# KiCad board migrane.kicad_pcb (continued)
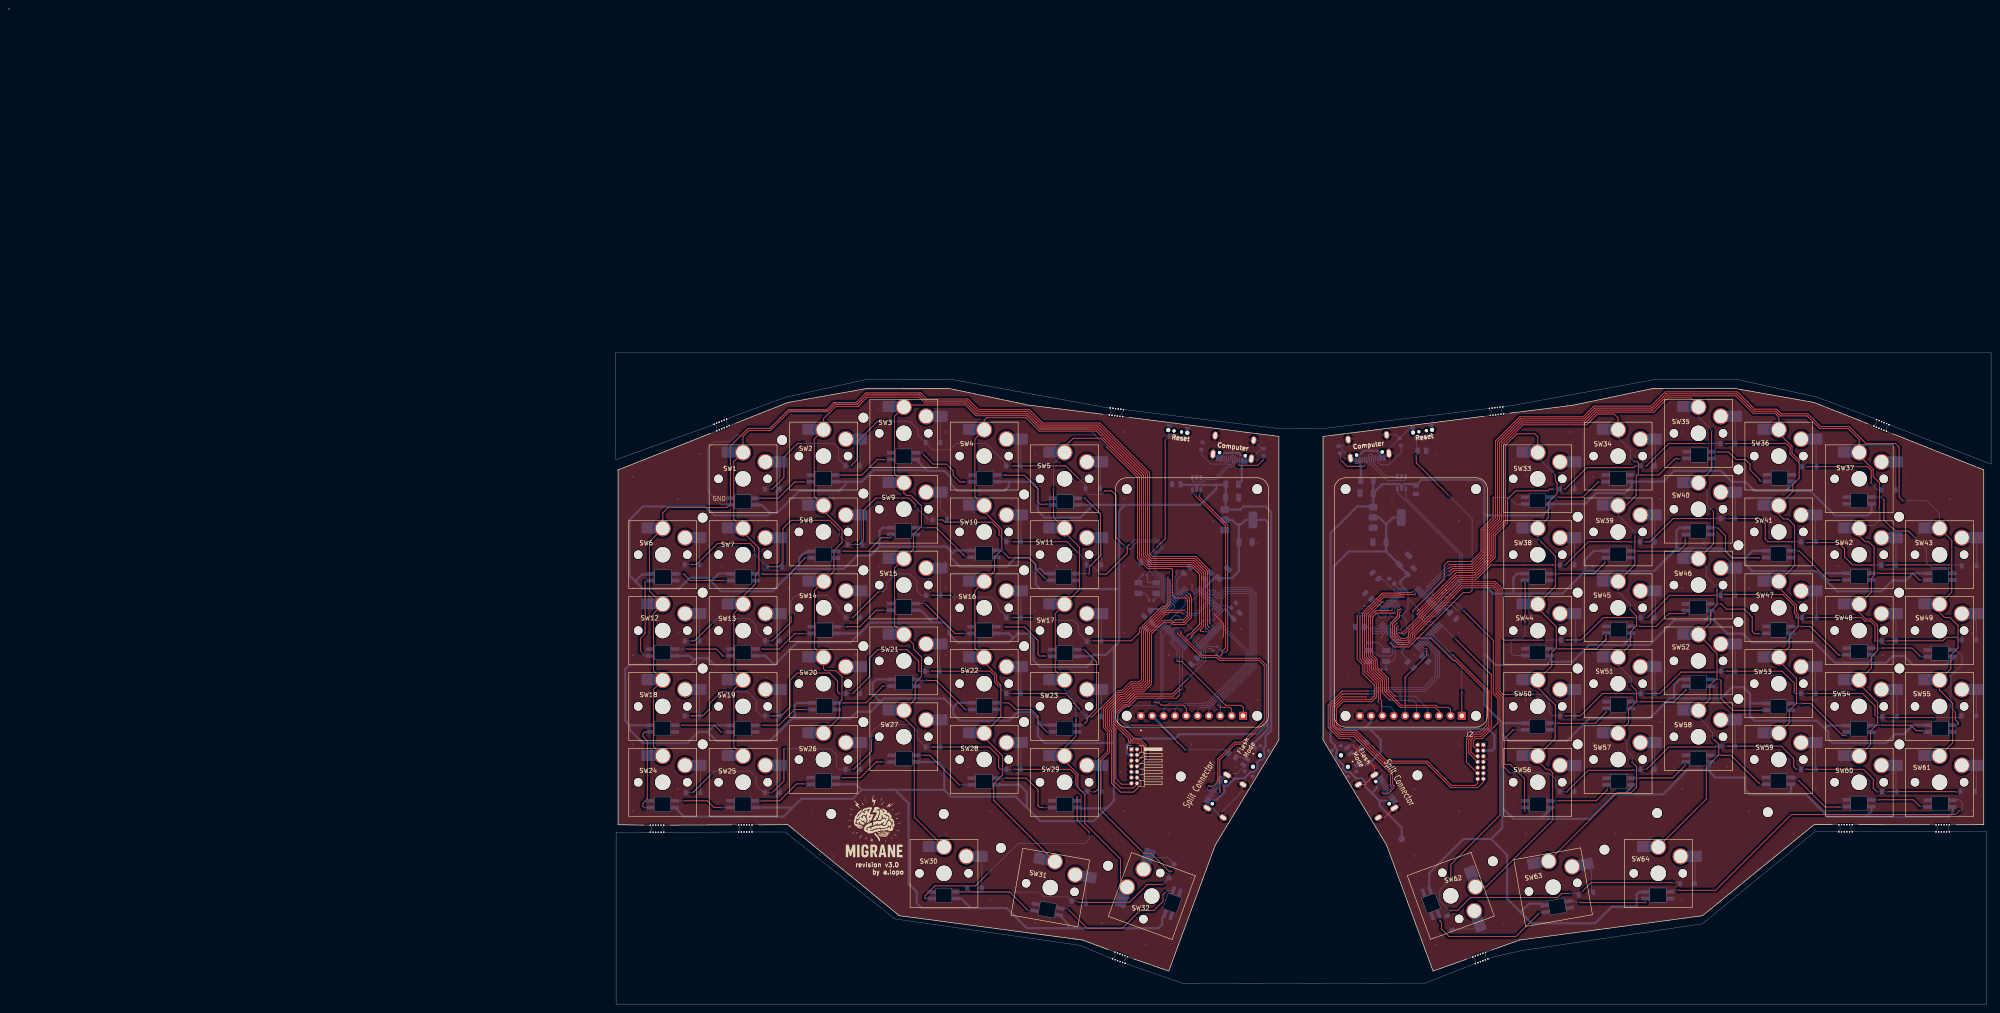
[diagram p0: board, top side]
## Routing (per net, layer and track width the routed paths; a pad name or vN(x,y) marks a point on that pad's centre or on a via; arc(x,y) is an arc through that point) (continued)
(no net):
  vias: v1(-135.89,223)
/left/BOOT0a: length 56.3
  Top w0.2: v1(127.61,57) 122.11,62.5 v1(115.61,62.5)
  Bottom w0.2: 123.86,83.73 122.93,82.83 122.61,82.51 122.61,68.75 120.8,66.94 118.55,66.94 118.55,66.93 114.05,66.93 112.61,65.5 112.61,64 114.11,62.5 v1(115.61,62.5) ; v1(127.61,57) 136.53,57 R5.1
/right/BOOT0^{b}: length 50.2
  Top w0.2: v1(168.61,70.15) 162.76,70.15 159.61,67 159.61,62 162.11,59.5 164.41,59.5 v1(164.51,59.4)
  Bottom w0.2: 180.87,81.21 181.62,80.5 182.32,79.8 182.32,79.8 183.61,78.51 183.61,73.64 180.88,70.9 170.37,70.9 169.62,70.15 168.62,70.15 v1(168.61,70.15) ; 167.95,58.7 167.65,59 164.91,59 v1(164.51,59.4)
/right/SW_BOOT0^{b}: length 3
  Bottom w0.2: 164.46,56.17 166.03,56.17 166.78,56.92 166.78,57.3
COL0^{a}: length 242.7
  Top w0.2: SW24.1 8.5,57.68 8.5,70.52 SW18.1 8.5,74.68 8.5,87.52 SW12.1 7.61,92.56 7.61,103.64 SW6.1 10.57,110.06 11.79,111.27 24.99,111.27 25.71,112 25.71,125 29.71,129 34.51,129 38.71,133.2 47.31,133.2 48.91,134.8 53.91,134.8 56.06,136.95 68.35,136.95 69.7,135.6 78.91,135.6 81.31,133.2 92.7,133.2 95.7,130.2 108.51,130.2 119.61,119.1 119.61,101 120.31,100.3 130,100.3 133.06,97.24 133.06,85.42 v1(133.17,85.32)
  Bottom w0.2: 134.36,83.72 133.64,84.46 133.64,84.85 v1(133.17,85.32)
COL0^{b}: length 229.1
  Top w0.2: SW61.1 299.51,58.54 299.51,67.4 296.57,70.34 SW55.1 299.11,75.14 299.11,78.2 300.71,79.8 300.71,84.8 298.9,86.61 297.7,86.61 296.57,87.74 SW49.1 299.31,92.34 299.31,103.86 SW43.1 ; 186.79,98.5 191.61,98.5 194.31,101.2 194.31,106.2 197.11,109 197.11,126.2 202.51,131.6 216.71,131.6 219.11,134 231.91,134 234.51,136.6 234.53,136.6 235.13,137.2 251.31,137.2 255.21,133.3 260.09,133.3 261.14,132.25 267.1,132.25 269.95,129.4 276.31,129.4 280.11,125.6 286.71,125.6 287.51,124.8 287.51,113.6 v1(288.31,112.8)
  Bottom w0.2: 180.91,91.81 181.75,92.59 181.75,93.64 186.61,98.5 186.79,98.5 ; SW43.1 296.57,109.94 296.58,109.95 293.73,112.8 v1(288.31,112.8)
  vias: v1(186.71,98.49)
COL1^{a}: length 228
  Top w0.2: v1(132.97,84.53) 132.9,84.53 132.61,84.82 132.61,97.05 129.81,99.85 120.12,99.85 119.16,100.81 119.16,118.91 108.33,129.75 95.51,129.75 92.51,132.75 81.13,132.75 78.73,135.15 69.51,135.15 68.16,136.5 56.25,136.5 54.1,134.35 49.1,134.35 47.5,132.75 38.9,132.75 34.7,128.55 29.9,128.55 28.56,127.21 SW1.1 26.48,121.52 26.48,108.69 SW7.1 ; SW25.1 26.5,57.68 26.5,70.52 SW19.1 26.5,74.68 26.5,87.52 SW13.1 28.57,91.36 31.31,94.11 31.31,96.2 32.11,97 32.11,102.2 28.57,105.74
  Bottom w0.2: U4.38 133.03,84.39 133.03,84.48 v1(132.97,84.53)
COL1^{b}: length 217
  Top w0.2: v1(283.04,111.07) 283.11,111.14 283.11,116.82 281.71,118.22 281.71,119.8 278.57,122.94 ; 278.57,104.94 279.9,103.61 280.7,103.61 281.91,102.4 281.91,96 281.31,95.4 281.31,92.34 SW48.1 278.57,87.74 280.02,86.29 281.22,86.29 282.71,84.8 282.71,79.2 281.31,77.8 281.31,75.34 SW54.1 ; SW60.1 281.11,58.14 281.11,61.2 282.71,62.8 282.71,67.6 278.57,71.74 ; SW37.1 278.57,126.5 276.13,128.95 269.76,128.95 266.91,131.8 260.95,131.8 259.9,132.85 255.03,132.85 251.13,136.75 235.31,136.75 232.11,133.55 219.3,133.55 216.9,131.15 202.7,131.15 197.56,126.01 197.56,108.8 194.76,106 194.76,101.01 191.8,98.05 187.19,98.05 186.85,97.71 186.79,97.71
  Bottom w0.2: 181.26,91.41 182.13,92.23 182.2,92.3 182.2,93.45 186.45,97.7 186.78,97.7 ; v1(283.04,111.07) 283.09,111.02 283.09,108.48 281.86,107.25 279.22,107.25
  vias: v1(186.71,97.7)
COL2^{a}: length 210.1
  Top w0.2: 46.57,110.54 50.71,106.4 50.71,103.4 48.91,101.6 48.91,96.99 SW14.1 44.55,92.62 44.55,79.73 SW20.1 46.57,75.14 47,74.71 49.42,74.71 50.68,73.45 50.71,73.45 50.71,68.2 50.11,67.6 50.11,64.24 SW26.1 ; SW8.1 44.5,113.78 44.5,126.62 SW2.1 46.57,131.18 49.29,133.9 54.29,133.9 56.39,136 68.01,136 69.31,134.7 78.54,134.7 80.94,132.3 92.33,132.3 95.33,129.3 108.14,129.3 118.71,118.73 118.71,100.63 119.94,99.4 129.63,99.4 132.16,96.86 132.16,84.5 132.21,84.46 v1(132.21,84.12)
  Bottom w0.2: 133.61,83 132.91,83.77 132.64,84.04 132.64,84.06 132.58,84.12 v1(132.21,84.12)
COL2^{b}: length 195.5
  Top w0.2: 260.57,76.94 264.51,73 264.51,67.4 262.91,65.8 262.91,63.04 SW59.1 ; 186.79,96.96 186.89,96.96 187.53,97.6 191.99,97.6 195.22,100.83 195.22,105.81 198.02,108.61 198.02,125.83 202.89,130.7 217.09,130.7 219.49,133.1 232.3,133.1 235.5,136.3 250.94,136.3 254.84,132.4 259.71,132.4 260.57,131.54 SW36.1 ; 260.57,93.34 264.51,89.4 264.51,87.8 264.91,87.4 264.91,84.6 262.91,82.6 262.91,80.04 SW53.1 ; 260.57,127.94 263.51,125 263.51,123.52 265.11,121.92 265.11,117.8 263.71,116.4 263.71,114.84 SW41.1 260.57,109.74 261.6,108.71 262.6,108.71 264.11,107.2 264.11,98.24 SW47.1
  Bottom w0.2: 181.57,91.04 182.47,91.9 182.65,92.09 182.65,93.26 186.31,96.92 186.74,96.92
  vias: v1(186.71,96.95)
COL3^{a}: length 220.2
  Top w0.2: SW27.1 67.11,68.34 67.11,72 68.51,73.4 68.51,77.8 66.71,79.6 66.71,80.66 SW21.1 62.5,84.88 62.5,97.72 SW15.1 66.71,101.94 66.71,105.26 68.51,107.06 68.51,111.6 66.11,114 65.11,114 64.57,114.54 SW9.1 62.5,118.88 62.5,131.72 SW3.1 ; v1(131.94,83.48) 131.94,83.49 131.91,83.52 131.11,83.52 130.98,83.65 130.98,83.83 131.71,84.56 131.71,96.68 129.44,98.95 119.75,98.95 118.26,100.44 118.26,118.54 107.95,128.85 95.11,128.85 92.11,131.85 80.75,131.85 78.35,134.25 65.02,134.25 ; SW30.1 66.91,41.86 66.91,61.8 64.57,64.14
  Bottom w0.2: 133.3,82.66 132.5,83.49 132.03,83.49 132.03,83.48 v1(131.94,83.48)
COL3^{b}: length 210.5
  Top w0.2: v1(245.51,128.5) 245.51,127.2 245.51,119.74 SW40.1 ; v1(246.71,92.8) 246.71,89.4 245.31,88 245.31,85.54 SW52.1 245.42,79.95 245.42,79.81 246.71,78.52 246.71,73 245.11,71.4 245.11,68.34 SW58.1 ; 186.79,96.21 186.89,96.21 187.82,97.15 192.17,97.15 195.67,100.64 195.67,105.63 198.47,108.43 198.47,125.64 203.07,130.25 217.27,130.25 219.67,132.65 232.56,132.65 235.76,135.85 240.87,135.85 242.57,134.14 ; SW64.1 244.31,45.94 244.31,53.07 247.11,55.87 247.11,58.2 v1(246.11,59.2) ; v1(245.91,110.4) 245.91,103.14 SW46.1
  Bottom w0.2: 181.86,90.63 182.8,91.53 183.11,91.84 183.11,93 186.33,96.21 186.79,96.21 ; SW40.1 244.51,114.86 244.51,111.8 v1(245.91,110.4) ; SW46.1 244.31,98.06 244.31,95.8 246.71,93.4 v1(246.71,92.8) ; SW35.1 242.57,131.56 245.51,128.62 v1(245.51,128.5) ; 242.57,64.34 244.71,62.2 244.71,61.8 245.71,60.8 245.71,59.6 v1(246.11,59.2)
  vias: v1(186.71,96.2)
COL4^{a}: length 204.8
  Top w0.2: 82.57,59.74 86.71,55.6 86.71,51.4 84.71,49.4 84.71,45.62 SW31.1 ; v1(128.75,81.91) 128.75,81.93 129.01,82.19 129.01,82.49 131.26,84.74 131.26,96.49 129.25,98.5 119.56,98.5 117.81,100.25 117.81,118.35 107.77,128.4 94.92,128.4 91.92,131.4 83.11,131.4 82.57,130.86 SW4.1 80.5,126.62 80.5,113.78 SW10.1 ; SW28.1 86.31,64.44 86.31,71.4 86.25,71.46 86.25,71.46 85.98,71.74 85.97,71.74 85.36,72.35 85.36,73.79 82.57,76.58 ; SW22.1 80.5,79.78 80.5,92.62 SW16.1 84.91,97.04 84.91,100.15 86.51,101.75 86.51,106.4 82.57,110.34
  Bottom w0.2: 127.43,80.93 127.92,81.4 128.43,81.91 v1(128.75,81.91)
COL4^{b}: length 209.2
  Top w0.2: v1(228.31,104.8) 228.31,98.44 SW45.1 ; SW34.1 224.57,131.34 223.72,132.2 219.91,132.2 217.51,129.8 203.26,129.8 198.92,125.46 198.92,108.24 196.12,105.44 196.12,100.45 192.36,96.7 188.31,96.7 179.8,88.18 v1(179.42,88.18) ; SW63.1 224.39,47.4 227.51,47.4 228.71,48.6 228.71,53.2 v1(227.71,54.2) ; v1(227.51,71.4) 228.71,70.2 228.71,67.8 226.91,66 226.91,63.04 SW57.1 ; SW39.1 226.31,111.7 228.61,114 228.61,118.3 229.11,118.8 229.11,121.2 228.71,121.6 v1(228.11,121.6) ; v1(227.31,88.4) 228.71,87 228.71,84.8 227.31,83.4 227.31,80.44 SW51.1
  Bottom w0.2: 184.12,84.38 183.24,85.29 183.24,85.3 182.83,85.71 181.89,85.71 v1(179.42,88.18) ; v1(227.51,71.4) 227.51,73 224.57,75.94 SW51.1 ; SW57.1 226.51,58.76 226.51,56.8 227.71,55.6 v1(227.71,54.2) ; v1(228.31,104.8) 228.31,105.8 224.57,109.54 SW39.1 ; v1(228.11,121.6) 227.31,122.4 227.31,124.2 224.57,126.94 SW34.1 ; v1(227.31,88.4) 227.31,89.6 224.57,92.34 SW45.1
COL5^{a}: length 181.4
  Top w0.2: SW23.1 98.5,74.68 98.5,87.52 SW17.1 103.91,92.94 103.91,102.4 100.57,105.74 ; SW32.1 113.11,27.68 113.11,32.5 105.11,40.5 105.11,47 103.56,48.55 103.56,51.55 100.57,54.54 ; v1(127.99,82.55) 128.01,82.55 128.37,82.9 128.7,82.9 130.81,85.01 130.81,96.3 129.06,98.05 119.38,98.05 117.36,100.07 117.36,118.17 108.72,126.8 102.51,126.8 100.57,124.86 ; SW29.1 100.57,57.46 103.11,60 v1(103.11,63.72) ; SW11.1 98.11,109.06 v1(98.11,115.5)
  Bottom w0.2: 126.73,80.96 127.56,81.76 127.99,82.19 v1(127.99,82.55) ; SW5.1 98.11,121.14 v1(98.11,115.5) ; v1(103.11,63.72) 103.11,67.96 100.57,70.51 SW23.1
COL5^{b}: length 182.8
  Top w0.2: v1(210.51,118.6) 210.51,117.2 210.91,116.8 210.91,114.4 208.91,112.4 208.91,108.94 SW38.1 ; v1(179.45,87.38) 179.66,87.38 179.66,87.41 188.25,96 192.3,96 196.57,100.27 196.57,105.25 199.37,108.06 199.37,125.27 201.9,127.8 205.91,127.8 206.57,127.14 SW33.1 ; 206.57,89.66 210.51,93.6 210.51,93.6 210.51,96 210.51,100.4 v1(207.26,103.65) ; SW62.1 194.99,26.28 209.91,41.2 209.91,51.8 209.1,52.61 208.5,52.61 206.57,54.54 ; SW50.1 209.71,75.74 209.71,78.8 210.71,79.8 210.71,84.6 206.57,88.74 ; 206.57,70.94 210.51,67 210.51,62.4 210.45,62.34 210.45,59.48 SW56.1
  Bottom w0.2: 183.72,84.05 182.84,84.98 ; SW38.1 206.57,104.34 v1(207.26,103.65) ; 182.81,84.96 181.87,84.96 v1(179.45,87.38) ; 206.57,122.54 v1(210.51,118.6)
CS^{a}: length 41.9
  Bottom w0.2: 134.73,88.94 135.72,89.9 135.75,89.93 135.75,90.64 137.11,92 141.61,92 142.11,91.5 142.11,76 132.61,66.5 131.11,66.5 130.38,65.77 U3.5
CS^{b}: length 41.6
  Top w0.2: v1(173.47,68.09) 171.76,69.8 171.76,72.44 169.26,74.94 169.26,76.72 168.22,77.75 168.22,78.39 168.22,78.4 168.22,87.31 171.23,90.32 171.23,90.34 171.55,90.66 171.57,90.66 172.11,91.2 v1(176.6,91.2)
  Bottom w0.2: 175.69,92.11 176.34,91.46 176.34,91.46 v1(176.6,91.2) ; v1(173.47,68.09) 173.53,68.09 173.56,68.05 178.56,68.05 179.4,67.21 U8.5
DataCommand^{a}: length 33.5
  Bottom w0.2: 135.78,85.14 136.64,84.31 141.66,79.29 141.66,76.19 132.43,66.95 126.06,66.95 125.3,66.19 U3.7
DataCommand^{b}: length 41.3
  Top w0.2: v1(178.45,92.32) 178.35,92.22 175.7,92.22 175.57,92.1 171.73,92.1 171.19,91.56 171.18,91.56 170.33,90.71 170.33,90.7 167.32,87.68 167.32,78.02 167.32,78.02 167.32,77.38 168.36,76.34 168.36,74.57 170.86,72.07 v1(170.86,67.68)
  Bottom w0.2: 179.47,93.17 178.71,92.41 178.62,92.32 v1(178.45,92.32) ; U8.7 174.32,65.79 173.51,66.61 171.93,66.61 v1(170.86,67.68)
Handedness^{a}: length 186.8
  Bottom w0.2: 134.36,89.28 133.73,88.65 ; 132.11,93.39 U4.19 129.03,90.31 127.61,90.31 ; 121.61,88.5 121.81,88.5 U4.1 ; 133.74,88.65 133.11,88.03 133.11,86 ; 124.61,86.5 124.04,85.93 123.24,85.93 U4.64 121.81,84.5 121.61,84.5 ; 124.61,86.5 125.11,87 126.06,87 128.97,84.09 129.37,83.69 ; 124.61,86.5 127.61,89.5 127.61,90.31 ; 131.11,79 131.11,79.2 U4.48 129.37,80.94 129.37,83.76 131.61,86 133.11,86 ; 127.61,90.31 127.61,91.18 U4.13 125.75,93.05 125.75,95.14 126.94,96.33 ; 139.6,104.04 140.14,103.5 ; C4.1 119.79,86.83 120.11,86.5 C5.1 ; 133.11,86 133.92,86 U4.32 136.42,88.5 136.59,88.5 136.61,88.47
  Bottom w0.5: U1.2 138.11,108.5 139.09,107.53 140.14,107.53 141.11,108.5 U1.2 145.61,108.5 146.11,108 146.11,61.6 143.03,58.52 SW65.1 ; 131.11,79 131.11,78.34 130.44,77.67 ; J1.3 114.94,55.83 114.54,56.22 114.54,58.03 116.01,59.5 125.32,59.5 ; 121.61,88.5 120.11,88.5 C4.1 ; C5.1 121.11,84.5 121.61,84.5 ; C7.1 137.26,87.51 137.26,87.83 136.61,88.47 ; 146.11,63 143.61,60.5 126.32,60.5 125.32,59.5 ; 139.6,107.53 139.6,104.04 ; 125.32,59.5 U3.9 ; C1.1 139.64,97.04 138.06,95.46 134.07,95.46 132.11,93.5 132.11,93.39 132.11,95
Handedness^{b}: length 5.9
  Bottom w0.2: 175.34,91.75 174.49,92.62 ; 174.51,92.6 171.96,95.16 170.85,95.16
LCDReset^{a}: length 35
  Bottom w0.2: 135.43,84.75 136.27,83.95 141.21,79 141.21,76.37 132.24,67.4 124.02,67.4 122.76,66.15 U3.8
LCDReset^{b}: length 38.7
  Top w0.2: v1(179.05,91.77) 178.68,91.77 178.68,91.77 178.22,91.77 178.22,91.77 175.89,91.77 175.76,91.65 171.92,91.65 171.38,91.11 171.37,91.11 170.78,90.52 170.78,90.51 167.77,87.5 167.77,78.21 167.77,78.2 167.77,77.56 168.81,76.53 168.81,74.75 171.31,72.25 171.31,68.3 171.61,68 171.61,64.77
  Bottom w0.2: 179.83,92.81 179.1,92.07 179.1,91.82 v1(179.05,91.77)
LEDs^{a}: length 171.3
  Top w0.2: v1(109.98,124.87) 113.47,121.39 113.5,121.39 116.91,117.98 116.91,99.88 119.19,97.6 124.52,97.6 124.77,97.34 124.77,91.67 125.43,91.01 127.8,91.01 128.11,90.7 128.11,87 127.2,86.08 125.34,86.08 v1(125.33,86.1)
  Bottom w0.2: 123.54,84.09 124.49,85.03 124.49,85.25 v1(125.33,86.1) ; v1(109.98,124.87) 105.85,129 95.11,129 92.11,132 81.11,132 78.11,135 69.61,135 67.61,137 56.61,137 54.11,134.5 49.11,134.5 47.61,133 38.61,133 34.61,129 29.61,129 28.11,127.5 27.11,127.5 25.61,126 22.11,126 20.61,124.5 20.61,115 23.76,111.85 LED1.4
LEDs^{b}: length 51.6
  Top w0.2: v1(196.56,113.5) 196.56,109.09 193.86,106.39 193.86,101.39 191.66,99.19 186.47,99.19 185.61,98.33 185.61,95.16 178.61,88.16 v1(178.61,88)
  Bottom w0.2: 180.56,80.86 179.56,81.85 178.61,82.79 v1(178.61,88) ; v1(196.56,113.5) 200.11,113.5 201.61,112 203.64,112
MISO^{a}: length 45.6
  Top w0.2: v1(134.99,67) 135.49,66.5 137.61,66.5 138,66.11 U3.2
  Bottom w0.2: 132.23,91.4 133.23,92.34 133.89,92.34 134.72,91.5 135.34,91.5 136.74,92.9 141.99,92.9 143.02,91.87 143.02,75.63 134.99,67.6 v1(134.99,67)
MISO^{b}: length 42.8
  Top w0.2: 173.99,88.19 173.98,88.18 170.44,88.18 169.12,86.87 169.12,83.29 169.13,83.28 169.13,78.13 170.16,77.09 170.16,75.31 172.66,72.81 172.66,70.31 176.03,66.95 183.8,66.95 184.25,66.5 186.61,66.5 187.02,66.09 U8.2
  Bottom w0.2: 173.25,89.63 173.98,88.91 173.98,88.2 v1(173.99,88.2)
MOSI^{a}: length 42.6
  Bottom w0.2: 132.61,91.06 133.34,91.79 133.79,91.79 134.58,91 135.48,91 136.93,92.45 141.8,92.45 142.56,91.69 142.56,75.81 132.92,66.17 U3.4
MOSI^{b}: length 37.9
  Top w0.2: v1(174.54,87.71) 174.32,87.71 174.22,87.61 170.5,87.61 169.57,86.68 169.57,83.48 169.58,83.47 169.58,78.31 170.61,77.28 170.61,75.5 173.11,73 173.11,70.5 174.62,69 v1(174.76,69)
  Bottom w0.2: 173.58,89.97 174.3,89.27 174.54,89.03 174.54,88.32 174.54,88.32 v1(174.54,87.71) ; U8.4 181.94,66.17 179.11,69 174.76,69 v1(174.76,69)
OSC IN^{a}: length 5.8
  Bottom w0.2: Y1.3 123.14,90.01 123.14,90 U4.5
  Bottom w0.25: Y1.3 121.11,91.07 120.48,90.43
OSC IN^{b}: length 8.1
  Bottom w0.2: U9.5 174.61,80.53 174.61,77.5 173.91,76.8 Y2.3 ; C25.1 172.59,76.78
OSC OUT^{a}: length 11.5
  Bottom w0.2: 124.02,89.81 123.6,90.25 122.4,91.45 122.4,92.61 121.52,93.48 120.21,93.48 120.19,93.5 118.05,93.5 Y1.1
  Bottom w0.25: 117.95,96.03 117.11,95.2 Y1.1
OSC OUT^{b}: length 11.5
  Bottom w0.2: 174.98,81.62 174.35,80.98 174.11,80.74 174.11,78.5 173.61,78 170.71,78 169.51,79.2 Y2.1 ; C26.1 168.63,79.22
RESET^{a}: length 100.5
  Top w0.2: v1(123.66,87.32) 123.16,87.32 119.16,83.32 119.16,72.14 117.88,70.85 115.9,70.85 113.95,68.91 113.19,68.91 110.16,65.87 110.16,62.32 111.11,61.36 111.11,49.5 113.11,47.5 116.04,47.5 117.66,49.13 117.66,49.9 J1.12 ; v1(121.28,102.45) 123.11,104.28 v1(123.11,126.31)
  Bottom w0.2: 124.55,89.97 125.22,89.33 125.22,88.89 v1(123.66,87.32) ; 124.61,90 123.84,90.71 122.85,91.69 122.85,92.79 122.36,93.28 122.36,95.04 121.9,95.5 121.11,95.5 119.61,97 119.61,98.5 ; v1(123.11,126.31) U5.1 ; C14.2 119.56,100.73 v1(121.28,102.45)
RESET^{b}: length 106.4
  Top w0.2: 179.67,82 189.89,92.23 191.33,92.23 v1(191.85,92.74) ; 179.67,82 177.7,80.04 174.44,80.04 v1(173.55,80.92) ; 179.67,82 182.61,82 187.61,77 188.1,77 195.15,69.95 195.15,62.54 193.61,61 192.2,61 190.61,59.41 190.61,54.23 J2.12 ; v1(186.61,114) 179.35,121.26 v1(179.35,122.85)
  Bottom w0.2: 174.6,81.96 173.76,81.09 173.72,81.09 v1(173.55,80.92) ; 179.44,124.78 179.44,126.69 ; C28.2 179.66,123.16 v1(179.35,122.85) ; v1(186.61,114) 191.88,108.74 191.88,92.77 v1(191.85,92.74)
ROW0^{a}: length 142.7
  Top w0.2: v1(52.91,120.8) 54.11,122 54.11,126 58.71,130.6 v1(60.71,130.6) ; v1(35.11,115.4) 37.71,118 37.71,122.6 40.71,125.6 v1(41.91,125.6) ; v1(109.59,115) 111.11,115 112.11,114 112.11,104.5 v1(113.61,103) ; v1(103.53,117.92) 100.85,120.6 v1(89.11,120.6)
  Bottom w0.2: 124.9,90.35 124.23,91.03 123.3,91.95 123.3,92.98 122.82,93.46 122.82,95.23 122.09,95.95 121.63,95.95 120.6,96.98 120.61,97 120.61,100.85 122.16,102.4 122.16,102.81 121.43,103.55 116.8,103.55 115.59,102.34 115.59,102.3 115.31,102.02 115.14,102.02 115.11,102 114.61,102 v1(113.61,103) ; v1(52.91,120.8) 52.71,120.6 D2.1 49.91,122.14 49.91,124.6 48.91,125.6 v1(41.91,125.6) ; v1(109.59,115) 108.79,114.2 106.08,114.2 105.25,115.03 D5.1 105.25,116.2 v1(103.53,117.92) ; v1(89.11,120.6) D4.1 87.45,121.2 83.05,125.6 76.31,125.6 74.91,124.2 71.05,124.2 D3.1 67.71,127.54 67.71,128.8 65.91,130.6 v1(60.71,130.6) ; D1.1 v1(35.11,115.4)
ROW0^{b}: length 140.2
  Top w0.2: v1(244.11,125.6) 235.91,125.6 v1(230.91,120.6) ; v1(267.11,120.4) 267.14,120.42 280.45,120.42 281.26,119.61 281.26,117.98 281.25,117.96 v1(281.25,116.72) ; v1(212.71,115.4) 217.51,120.2 228.11,120.2 v1(228.51,120.6) ; v1(248.71,125.6) 262.26,125.6 263.06,124.8 263.06,123.3 v1(264.64,121.72) ; v1(175.52,83.11) 176.23,83.11 180.11,87 180.11,87.22 188.44,95.55 192.49,95.55 197.03,100.09 197.03,105.08 199.82,107.87 199.82,113.21 201.61,115 208.84,115 209.24,115.4 v1(209.84,115.4)
  Bottom w0.2: 174.18,82.29 175.06,83.12 175.51,83.12 v1(175.52,83.11) ; v1(228.51,120.6) D34.1 v1(230.91,120.6) ; v1(244.11,125.6) D35.1 v1(248.71,125.6) ; v1(281.25,116.72) 282.77,115.2 D37.1 ; 265.7,120.66 v1(264.64,121.72) ; D36.1 v1(267.11,120.4) ; D33.1 v1(212.71,115.4) ; v1(209.84,115.4) 211.5,115.4
ROW1^{a}: length 160
  Top w0.2: v1(31.11,101.5) 31.11,102.2 30.11,103.2 22.81,103.2 18.11,98.5 v1(17.11,98.5) ; v1(89.11,103.6) 101.11,103.6 v1(103.31,101.4) ; v1(33.96,98) 36.61,98 37.51,98.9 37.51,106.6 39.31,108.4 47.91,108.4 49.51,106.8 49.51,106.8 v1(50.13,106.18) ; v1(85.91,105.19) 85.91,105.2 85.91,106.36 84.28,108 73.76,108 73.26,108.5 v1(72.61,108.5) ; v1(67.11,111.5) 67.11,112 65.71,113.4 58.31,113.4 55.51,110.6 55.51,106 55.51,106 55.51,103.9 54.61,103 v1(53.61,103) ; v1(115,102.87) 114.96,102.87 114.63,102.53 114.63,102.02 114.61,102 114.61,101 109.97,96.35 v1(108.59,96.35)
  Bottom w0.2: 125.27,90.69 124.46,91.52 123.75,92.23 123.75,93.17 123.27,93.65 123.27,95.41 122.28,96.4 121.81,96.4 121.06,97.15 121.06,100.66 122.61,102.21 122.61,103 121.61,104 116.22,104 115.67,103.45 115.66,103.45 115.08,102.87 v1(115,102.87) ; v1(17.11,98.5) D6.1 ; v1(50.13,106.18) 50.13,104.99 52.11,103 v1(53.61,103) ; v1(72.61,108.5) 70.11,108.5 v1(67.11,111.5) ; v1(33.96,98) 31.11,100.85 v1(31.11,101.5) ; v1(108.59,96.35) 106.54,98.4 D11.1 105.5,99.21 v1(103.31,101.4) ; v1(89.11,103.6) D10.1 v1(85.91,105.19)
ROW1^{b}: length 146.7
  Top w0.2: v1(230.71,103.6) 231.71,103.6 236.91,108.8 v1(245.11,108.8) ; v1(298.61,98.42) v1(284.67,98.42) ; v1(281.44,98.4) 277.11,98.4 275.31,100.2 275.31,102 273.91,103.4 v1(266.91,103.4) ; v1(263.51,103.6) 258.11,103.6 257.51,104.2 257.51,107.6 256.31,108.8 v1(249.31,108.8) ; v1(212.79,98.46) 212.79,98.48 217.91,103.6 v1(227.51,103.6) ; v1(176.68,82.79) 176.68,82.93 180.56,86.81 180.56,87.04 188.63,95.1 192.71,95.1 196,98.39 203.66,98.39 203.68,98.4 v1(209.96,98.4)
  Bottom w0.2: 173.87,82.68 174.74,83.46 175.16,83.87 175.74,83.87 176.11,83.5 176.11,83 176.32,82.79 v1(176.68,82.79) ; v1(209.96,98.4) D38.1 ; v1(249.31,108.8) D40.1 v1(245.11,108.8) ; v1(212.79,98.46) 212.74,98.41 211.51,98.41 ; v1(281.44,98.4) 284.66,98.4 v1(284.67,98.42) ; v1(266.91,103.4) 265.7,103.4 ; v1(230.71,103.6) D39.1 v1(227.51,103.6) ; 301.31,98.41 298.62,98.41 v1(298.61,98.42) ; D41.1 v1(263.51,103.6)
ROW2^{a}: length 151.5
  Top w0.2: v1(89.11,86.6) v1(92.91,86.6) ; v1(58.91,92.4) v1(53.11,86.6) ; v1(35.11,81.4) 39.31,85.6 v1(39.31,86.8) ; v1(17.11,81.4) 17.71,81.4 v1(21.31,85) ; v1(107.11,81.4) 115.51,81.4 117.36,83.25 117.36,84.07 122.44,89.15 123.13,89.15 123.72,89.74 v1(123.72,95.6) ; v1(71.11,91.6) v1(74.91,91.6)
  Bottom w0.2: 125.68,91 124.84,91.83 124.2,92.47 124.2,93.35 123.72,93.84 v1(123.72,95.6) ; v1(58.91,92.4) 59.91,92.4 60.71,93.2 60.71,94.4 62.71,96.4 65.91,96.4 67.51,94.8 67.51,92.6 68.51,91.6 D15.1 v1(71.11,91.6) ; D12.1 v1(17.11,81.4) ; v1(21.31,85) 22.71,86.4 29.91,86.4 31.51,84.8 31.51,83.39 D13.1 v1(35.11,81.4) ; 51.5,86.81 49.91,88.4 49.91,89 47.31,91.6 40.51,91.6 39.31,90.4 v1(39.31,86.8) ; 87.5,86.81 85.71,88.6 85.71,89.6 84.11,91.2 75.51,91.2 75.11,91.6 v1(74.91,91.6) ; D14.1 v1(53.11,86.6) ; v1(107.11,81.4) 105.5,81.4 103.71,83.19 103.71,84.8 102.51,86 94.51,86 93.91,86.6 v1(92.91,86.6) ; D16.1 v1(89.11,86.6)
ROW2^{b}: length 161.1
  Top w0.2: v1(284.91,81.4) 297.31,81.4 298.11,82.2 v1(300.24,82.2) ; v1(246.24,91.6) 236.11,91.6 v1(231.11,86.6) ; v1(228.24,86.6) 221.28,86.6 216.28,81.6 v1(213.11,81.6) ; v1(266.91,86.6) 279.08,86.6 279.83,85.84 281.03,85.84 282.11,84.76 282.11,81.39 v1(282.11,81.38) ; v1(207.61,81.57) 198.95,81.57 198.56,81.95 198.56,93.19 197.1,94.65 188.81,94.65 181.02,86.85 181.02,86.63 177.61,83.22 177.61,82.5 177.06,81.95 175.9,81.95 174.97,82.88 174.97,84.36 v1(175.22,84.62) ; v1(264.44,86.6) 264.46,86.62 264.46,87.21 264.06,87.61 264.06,89.21 261.48,91.8 v1(248.51,91.8)
  Bottom w0.2: 173.51,83.02 174.41,83.84 175.18,84.62 v1(175.22,84.62) ; v1(248.51,91.8) 248.11,91.8 247.91,91.6 D46.1 v1(246.24,91.6) ; v1(213.11,81.6) D44.1 209.74,81.6 209.7,81.57 v1(207.61,81.57) ; D49.1 300.84,81.6 v1(300.24,82.2) ; D48.1 v1(284.91,81.4) ; v1(266.91,86.6) D47.1 v1(264.44,86.6) ; v1(231.11,86.6) D45.1 v1(228.24,86.6) ; v1(282.11,81.38) 283.22,81.38
ROW3^{a}: length 168
  Top w0.2: v1(35.11,64.6) 37.11,64.6 39.11,66.6 39.11,72.6 40.71,74.2 47.91,74.2 49.71,72.4 49.71,70 v1(50.11,69.6) ; v1(106.71,64.4) 108.61,66.3 108.81,66.3 108.81,66.43 112.63,70.26 113.39,70.26 115.34,72.21 117.32,72.21 117.81,72.7 117.81,83.89 122.63,88.7 123.31,88.7 124.19,89.58 v1(124.19,95) ; v1(67.91,74.6) 67.91,76.8 65.31,79.4 58.71,79.4 56.91,77.6 56.91,73.4 v1(53.11,69.6) ; v1(70.91,74.6) 83.91,74.6 84.91,73.6 84.91,72.13 v1(85.78,71.26) ; v1(89.11,69.6) 100.88,69.6 102.65,67.83 102.65,67.47 102.66,67.45 102.66,67.41 103.81,66.27 v1(103.81,66.09) ; v1(25.11,70) 23.71,70 21.03,67.31 21.03,66.11 19.51,64.6 v1(17.11,64.6)
  Bottom w0.2: 125.98,91.39 125.31,92.06 125.25,92.06 125.16,92.15 124.65,92.65 124.65,93.54 124.17,94.02 124.17,94.98 v1(124.19,95) ; v1(106.71,64.4) D23.1 v1(103.81,66.09) ; v1(25.11,70) 29.51,70 31.51,68 31.51,65.8 32.71,64.6 D19.1 v1(35.11,64.6) ; v1(50.11,69.6) D20.1 v1(53.11,69.6) ; v1(70.91,74.6) D21.1 v1(67.91,74.6) ; v1(85.78,71.26) 87.44,69.6 ; D22.1 v1(89.11,69.6) ; D18.1 v1(17.11,64.6)
ROW3^{b}: length 176.6
  Top w0.2: v1(246.11,74.4) 238.68,74.4 233.88,69.6 v1(231.11,69.6) ; v1(264.04,69.8) 264.04,71.88 261.31,74.6 v1(248.91,74.6) ; v1(212.91,64.6) 216.11,64.6 221.11,69.6 v1(228.11,69.6) ; v1(295.11,64.2) v1(285.11,64.2) ; v1(282.11,64.8) 282.11,66.8 279.31,69.6 v1(266.91,69.6) ; v1(205.61,69.4) 198.71,69.4 198.11,70 198.11,93 196.92,94.2 189.31,94.2 178.06,82.95 178.06,82.31 177.25,81.5 175.62,81.5 174.51,82.6 174.51,84.85 v1(174.99,85.33)
  Bottom w0.2: 173.2,83.37 174.07,84.19 174.07,84.4 v1(174.99,85.33) ; D55.1 301.1,64.2 v1(295.11,64.2) ; v1(212.91,64.6) D50.1 210.01,64.6 209.11,65.5 209.11,68 207.71,69.4 v1(205.61,69.4) ; v1(231.11,69.6) D51.1 v1(228.11,69.6) ; v1(264.04,69.8) 264.24,69.6 D53.1 v1(266.91,69.6) ; v1(282.11,64.8) 282.71,64.2 v1(285.11,64.2) ; v1(246.11,74.4) 247.3,74.4 ; D52.1 v1(248.91,74.6)
ROW4^{a}: length 186.2
  Top w0.2: v1(71.11,57.6) 83.71,57.6 85.81,55.5 85.81,53.02 v1(86.24,52.6) ; v1(37.71,57.2) 37.71,50 v1(35.11,47.4) ; v1(57.31,59.2) 57.31,56.6 v1(53.31,52.6) ; v1(103.01,49) 103.11,49.1 103.11,51.36 101.87,52.6 94.12,52.6 94.11,52.6 v1(89.31,52.6) ; v1(21.11,51.2) v1(17.31,47.4) ; v1(107.11,47.6) 107.51,47.6 108.17,48.26 108.17,54.62 110.16,56.61 110.16,61.04 109.26,61.94 109.26,66.25 112.82,69.81 113.58,69.81 115.53,71.75 117.51,71.75 118.26,72.51 118.26,83.7 122.81,88.25 126.94,88.25 126.94,88.25 127.34,88.25 127.36,88.23 v1(127.36,88.25)
  Bottom w0.2: 132.83,90.52 131.94,89.69 129.74,87.5 128.11,87.5 v1(127.36,88.25) ; v1(35.11,47.4) D25.1 33.11,47.4 31.51,49 31.51,50.8 30.11,52.2 22.11,52.2 v1(21.11,51.2) ; v1(37.71,57.2) 48.11,57.2 49.51,55.8 49.51,53.2 50.11,52.6 D26.1 v1(53.31,52.6) ; 69.45,57.66 67.51,59.6 67.51,61.2 66.11,62.6 59.11,62.6 57.31,60.8 v1(57.31,59.2) ; D24.1 v1(17.31,47.4) ; v1(107.11,47.6) D29.1 104.51,47.6 104.51,47.6 104.41,47.6 v1(103.01,49) ; v1(86.24,52.6) D28.1 v1(89.31,52.6) ; D27.1 v1(71.11,57.6)
ROW4^{b}: length 196
  Top w0.2: v1(282.51,47.6) 281.71,48.4 281.71,50.4 279.51,52.6 v1(266.71,52.6) ; v1(249.11,57.8) 261.11,57.8 263.91,55 263.91,53.2 v1(264.51,52.6) ; v1(213.11,47.6) 217.91,52.4 v1(227.91,52.4) ; v1(175.69,87.86) 175.59,87.76 175.59,86.71 174.06,85.18 174.06,82.41 175.43,81.05 177.44,81.05 178.52,82.13 178.52,82.76 189.5,93.75 196.73,93.75 197.66,92.81 197.66,69.81 198.61,68.86 198.61,53.5 v1(200.31,51.8) ; v1(230.91,52.6) 235.91,57.6 246.44,57.6 v1(246.64,57.8) ; v1(284.91,47.6) v1(300.31,47.6)
  Bottom w0.2: 173.9,90.36 174.6,89.65 175.1,89.15 175.1,88.7 175.11,88.69 175.11,88.44 v1(175.69,87.86) ; v1(266.71,52.6) D59.1 v1(264.51,52.6) ; v1(300.31,47.6) 301.5,47.6 ; D57.1 v1(230.91,52.6) ; v1(213.11,47.6) D56.1 210.51,48.59 210.51,50.4 209.31,51.6 207.61,51.6 207.43,51.78 206.94,51.78 206.91,51.8 v1(200.31,51.8) ; v1(249.11,57.8) D58.1 v1(246.64,57.8) ; v1(227.91,52.4) 229.3,52.4 ; v1(284.91,47.6) v1(282.51,47.6)
ROW5^{a}: length 137.4
  Top w0.2: v1(122.51,26.8) 119.11,26.8 115.11,22.8 v1(103.71,22.8) ; v1(127.06,87.5) 126.76,87.8 123,87.8 118.71,83.51 118.71,72.32 117.69,71.3 115.71,71.3 113.77,69.36 113.01,69.36 109.71,66.06 109.71,62.13 110.61,61.22 110.61,56.42 108.62,54.43 108.62,43.49 118.31,33.8 119.91,33.8 123.91,29.8 v1(124.51,29.8)